# Altium PCB SupBigBrrg_0.PcbDoc (part 27 of 29) (continued)
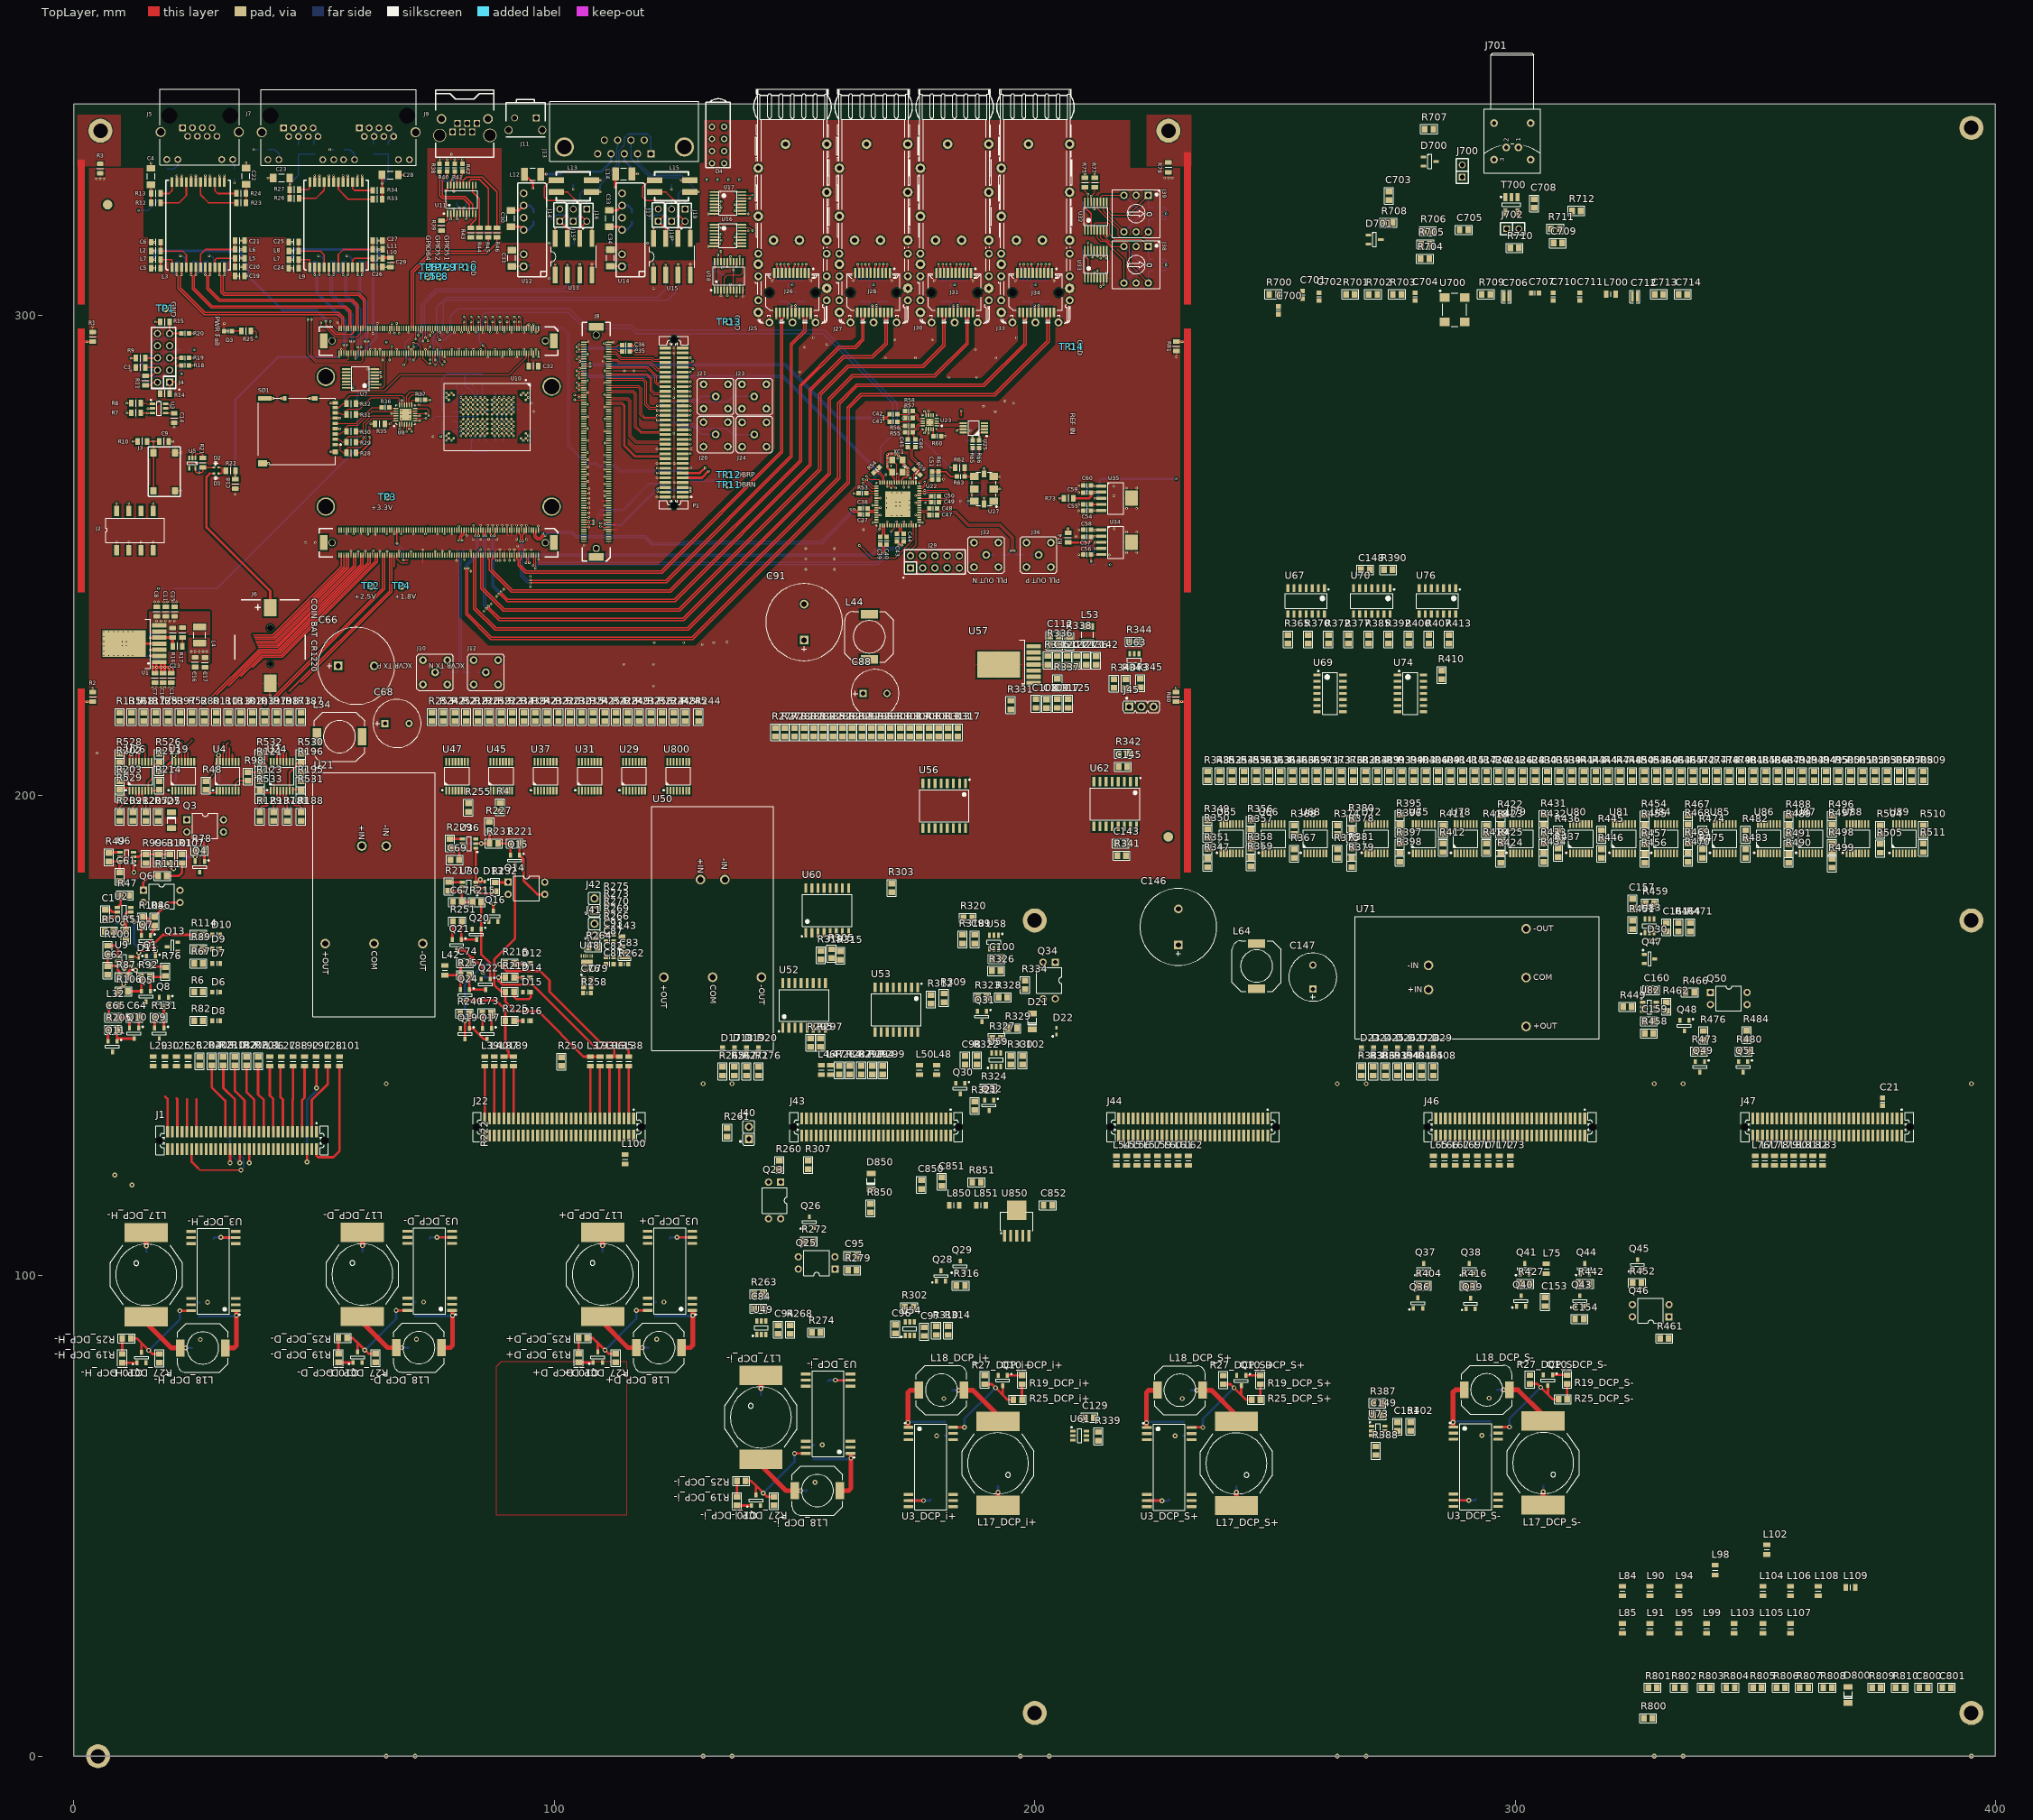
[diagram p0: TopLayer view]
## Nets (pads, with @x,y where several pads share a name; then routed paths per layer and width w, separated by ;. In a path a pad name is that pad's centre, name@x,y a point inside that pad or via, vN(x,y) a via of type N, cw(c..) or ccw(c..) an arc to the next point about the centre after c; other vN are vias at no path point) (continued)
  TopLayer w0.3: C24.2@46.75,309.775 46.755,309.78 L7.1@46.755,311.585 48.97,311.585 49.105,311.45 L9.1@49.105,310
NetC25_2: C25.2 L8.1 L9.4 | length 10
  TopLayer w0.3: C25.2@46.75,315.2 46.755,315.195 L8.1@46.755,313.385 51.255,313.385 52.075,312.565 L9.4@52.075,310
NetC26_2: C26.2 L9.10 L10.1 | length 7.7
  TopLayer w0.25: C26.2@62.2,310.075 62.2,311.88 L10.1@62.205,311.885
  TopLayer w0.3: L9.10@58.015,310 58.015,311.495 58.405,311.885 L10.1@62.205,311.885
NetC27_2: C27.2 L9.7 L11.1 | length 12.1
  TopLayer w0.25: C27.2@62.2,315.5 62.2,313.69 L11.1@62.205,313.685
  TopLayer w0.3: L9.7@55.045,310 55.045,312.65 56.08,313.685 L11.1@62.205,313.685
NetC28_2: C28.2 R33.1 R34.1 R178.2 R179.2 | length 14.7
  TopLayer w0.3: C28.2@64.135,329.185 64.16,329.16 v1(64.16,327.46) R34.1@64.16,325.985 R33.1@64.16,324.16
  BottomLayer w0.25: R179.2@62.335,333.535 R178.2@65.41,333.535 65.41,328.71 v1(64.16,327.46)
NetC55_2: C55.2 U35.4 | length 2.2
  TopLayer w0.3: C55.2@211.7,260.613 U35.4@213.875,260.613
NetC63_1: C63.1 R99.2 R101.2 U6.2 | length 7.8
  TopLayer w0.5: U6.2@12.4,187.25 13.5,187.25 14,187.75 R99.2@15,187.75 C63.1@17.5,187.75 R101.2@20,187.75
NetC68_1: C68.1 C327.2 C333.1 C338.1 L34.2 U21.1
NetC76_2: C76.2 U48.3
NetC77_1: C77.1 R91.2 R96.1 U34.4 | length 5.7
  TopLayer w0.15: v1(212.507,251.455) U34.4@213.875,251.455
  BottomLayer w0.25: R96.1@209.923,251.775 210.725,251.775 210.925,251.975 211.498,251.975 C77.1@211.523,251.95 212.05,251.95 212.507,251.493 v1(212.507,251.455) 212.507,251.107 212.325,250.925 R91.2@212.325,250.1
NetC79_2: C79.2 U48.4
NetC81_2: C81.2 C83.1 C87.2 L43.1 R262.2 R266.2 U48.2
NetC82_1: C82.1 R275.2 U48.8
NetC88_1: C88.1 C294.1 C297.2 C300.2 L44.2 U50.1
NetC93_1: C93.1 R269.1 U48.9
NetC94_2: C94.2 R268.1 R274.1 U49.2
NetC97_2: C97.2 R310.1 R314.1 U54.5
NetC99_1: C99.1 R318.1 R320.2 U58.2
NetC102_2: C102.2 R330.1 R517.1 U59.5
NetC112_1: C112.1 R335.2 R336.1 U57.5
NetC112_2: C112.2 R338.2
NetC120_1: C120.1 C122.1 C127.2 C136.2 C142.1 C266.2 C267.2 C268.1 C270.2 C271.2 L53.1 R336.2 R338.1 U57.6 U57.7
NetC147_1: C147.1 C230.1 C238.2 C250.1 L64.2 U71.1
NetC148_1: C148.1 U70.4 U70.5
NetC148_2: C148.2 R390.1 U70.1
NetC149_1: C149.1 R387.2 R388.2 U73.2
NetC154_1: C154.1 Q36.1 Q39.1 Q40.1 Q43.1 Q48.1 R451.2 R461.1 R466.1 U83.1
NetC159_1: C159.1 R449.2 R458.2 U82.2
NetC161_2: C161.2 R464.2 R471.1 U83.5
NetC165_2: C165.2 J18.2 | length 1.9
  BottomLayer w0.3: J18.2@124.425,322.07 C165.2@124.425,323.925
NetC170_2: C170.2 J15.2 | length 1.9
  BottomLayer w0.3: J15.2@103.95,322.07 C170.2@103.95,323.925
NetC175_2: C175.2 C176.1 U10.E4 | length 5.3
  TopLayer w0.15: U10.E4@90.05,280.375 v1(90.55,280.875)
  BottomLayer w0.15: C176.1@92.45,281.375 91.05,281.375 v1(90.55,280.875) 91.05,280.375 C175.2@92.825,280.375
NetC181_1: C181.1 U11.7 | length 2.4
  TopLayer w0.25: v1(81.685,320.01) U11.7@81.685,321.16
  BottomLayer w0.25: v1(81.685,320.01) 81.985,320.31 C181.1@81.985,321.16
NetC184_1: C184.1 U11.6 | length 2.6
  TopLayer w0.25: U11.6@81.035,321.16 v1@81.035,322.31
  BottomLayer w0.25: v1(81.16,322.36) 81.71,322.91 C184.1@81.71,323.56
NetC184_2: C184.2 U11.5 | length 2.6
  TopLayer w0.25: U11.5@80.385,321.16 v1@80.385,322.31
  BottomLayer w0.25: C184.2@79.71,323.56 79.71,322.91 v1(80.26,322.36)
NetC186_1: C186.1 U11.4 | length 2.3
  TopLayer w0.25: v1(79.735,320.01) U11.4@79.735,321.16
  BottomLayer w0.25: v1(79.735,320.01) 80.135,319.61 C186.1@80.135,319.01
NetC186_2: C186.2 U11.2 | length 2.3
  TopLayer w0.25: v1(78.435,320.01) U11.2@78.435,321.16
  BottomLayer w0.25: C186.2@78.135,319.01 78.135,319.71 v1(78.435,320.01)
NetC190_1: C190.1 U11.3 | length 2.1
  TopLayer w0.25: U11.3@79.085,321.16 v1(79.085,322.135)
  BottomLayer w0.25: C190.1@77.985,322.185 78.035,322.135 v1(79.085,322.135)
NetC210_2: C210.2 C215.1 C230.2 Q49.2 R471.2 R473.1 U71.3
NetC213_2: C213.2 C227.1 Q51.2 R449.1 R480.2 U71.5
NetC222_2: C222.2 U1.3 | length 5.6
  TopLayer w0.5: v1(15.82,230.34) U1.3@17.76,230.34
  BottomLayer w0.3: v1(15.82,230.34) 16.43,230.34 16.585,230.185 16.585,228.71 17.01,228.285 C222.2@17.785,228.285
NetC225_1: C225.1 R192.1 U1.2 | length 19.5
  TopLayer w0.5: v1(15.82,229.07) U1.2@17.76,229.07
  MidLayer3 w0.25: v1(15.82,229.07) 16.45,229.7 16.45,234.15 15.95,234.65 15.95,241.475 v1(17.575,243.1)
  BottomLayer w0.25: C225.1@14.5,229.05 15.8,229.05 v1(15.82,229.07) ; v1(17.575,243.1) R192.1@18.6,243.1
NetC264_2: C264.2 R340.2 R512.2 U63.5
NetC269_2: C269.2 R513.1 R514.1 U61.5
NetC272_2: C272.2 U57.3
NetC273_1: C273.1 R331.1 R337.1 U57.2
NetC321_1: C321.1 R227.2 R231.2 U36.2 | length 8.3
  TopLayer w0.5: U36.2@83.654,190 R231.2@86.5,190 R227.2@86.5,192.7
  BottomLayer w0.5: C321.1@82.054,190 v2(84.8,190)
NetC324_2: C324.2 R524.2 R525.2 U30.5
NetC356_2: C356.2 R106.1 R534.2 U9.5 | length 8
  TopLayer w0.3: R106.1@9.45,159.25 9.45,159.825 v2(10.4,160.775) ; 10,165.5 10.25,165.5 10.5,165.25 v2(10.5,164.025) v2@10.525,164.05
  TopLayer w0.5: U9.5@9.1,165.5 10,165.5
  BottomLayer w0.3: v2(10.4,160.775) 10.4,163.925 v2(10.5,164.025)
NetC700_2: C700.2 R700.2
NetC701_1: C701.1 C704.2 R700.1 R703.1
NetC701_2: C701.2 C710.2 C711.2 C712.1 C713.2 C714.2 L700.2 R702.1 R703.2
NetC702_2: C702.2 R701.2 R709.1 U700.1
NetC703_1: C703.1 T700.1
NetC703_2: C703.2 R706.2
NetC704_1: C704.1 U22.8 XC1.1 | length 2.5
  TopLayer w0.15: U22.8@171.775,265.125 171.775,266.55 XC1.1@172.525,267.3
NetC705_1: C705.1 J701.1 R710.2
NetC705_2: C705.2 T700.4
NetC708_1: C708.1 T700.3
NetC708_2: C708.2 R708.2
NetC850_1: C850.1 U850.4
NetC851_1: C851.1 L851.1 U850.2
NetC852_1: C852.1 L850.2 R851.1 U850.1
NetD1_1: D1.1 J6.1 | length 34.6
  TopLayer w0.25: 28.26,267.035 D1.1@29.13,267.035
  TopLayer w0.5: 28.26,267.035 27.575,266.35 27.575,255.825 40.85,242.55 J6.1@40.85,239.13
NetD1_2: D1.2 D2.2 R22.2 | length 3.2
  TopLayer w0.25: D1.2@30.09,267.035 30.585,267.035 30.825,267.275 30.825,267.65 ; D2.2@30.09,268.285 30.59,268.285 30.825,268.05 30.825,267.65 ; R22.2@31.61,267.635 30.84,267.635 30.825,267.65
NetD3_2: D3.2 R25.2 | length 1.9
  TopLayer w0.25: D3.2@32.865,296.71 R25.2@34.815,296.71
NetD4_1: D4.1 R146.2
NetD4_3: D4.3 R145.2
NetD4_5: D4.5 R141.2
NetD4_7: D4.7 R143.2
NetD5_1: D5.1 R527.2 U26.6
NetD6_1: D6.1 R6.1
NetD7_2: D7.2 R67.1
NetD8_2: D8.2 R82.1
NetD9_2: D9.2 R89.1
NetD10_1: D10.1 R114.1
NetD11_1: D11.1 Q13.3 U2.1 U6.1 U9.3 | length 17.7
  TopLayer w0.3: U9.3@11.9,166.45 12.85,166.45 13.1,166.2 D11.1@13.5,166.2 v2@13.5,167.1 ; v2(13.5,167.3) v2@13.5,167.1 ; 17.29,168.52 16.22,168.52 15.3,167.6 14,167.6 v2@13.5,167.1
  TopLayer w0.5: U2.1@11.849,174.8 12.5,174.149 v2(12.5,173.75) ; U6.1@12.4,186.3 12.4,184.1 v2(12.5,184)
  BottomLayer w0.5: v2(12.5,173.75) 12.5,169.2 13.5,168.2 v2(13.5,167.3)
NetD12_2: D12.2 R216.1 | length 1.9
  TopLayer w0.5: R216.1@91.6,165 93.4,165 D12.2@93.45,165.05
NetD13_1: D13.1 Q16.3 U30.3 U36.1 | length 16.8
  TopLayer w0.5: U36.1@83.654,189.05 U30.3@83.654,181.95 84.6,181.95 ; v2(84.6,182.5) 84.75,182.35 84.75,181.95 ; 84.9,182.1 D13.1@85.5,182.1 ; Q16.3@87.3,176.1 v2(87.3,177.5)
  BottomLayer w0.5: v2(84.6,182.5) 84.6,180.2 v2(87.3,177.5)
NetD14_2: D14.2 R219.1 | length 1.9
  TopLayer w0.5: R219.1@91.6,162.1 93.412,162.1 D14.2@93.45,162.063
NetD15_1: D15.1 R222.1 | length 5.9
  TopLayer w0.5: R222.1@91.6,159.1 91.6,158.1 92.1,157.6 94.7,157.6 95.1,158 D15.1@95.1,159.075
NetD16_2: D16.2 R225.1 | length 1.8
  TopLayer w0.5: R225.1@91.6,153.1 D16.2@93.45,153.1
NetD17_2: D17.2 R265.1
NetD18_1: D18.1 R267.1
NetD19_2: D19.2 R321.1
NetD20_1: D20.1 R276.1
NetD22_1: D22.1 Q23.4 U49.1 U54.1 U58.1 U59.3
NetD23_1: D23.1 R383.1
NetD24_2: D24.2 R386.1
NetD25_2: D25.2 R391.1
NetD26_2: D26.2 R394.1
NetD27_2: D27.2 R401.1
NetD28_2: D28.2 R405.1
NetD29_1: D29.1 R408.1
NetD30_1: D30.1 Q47.3 U61.1 U73.1 U82.1 U83.3
NetD700_3: D700.3 R706.1 R707.2 R711.1 U25.4
NetD701_3: D701.3 R705.2 R708.1 R712.1 U25.3
NetD800_1: D800.1 R810.1 U800.3
NetJ1_2: J1.2 L101.2 | length 24.5
  TopLayer w0.5: J1.2@50.5,126.396 50.5,125 50.8,124.7 54,124.7 55.25,125.95 L101.2@55.25,143.65
NetJ1_3: J1.3 L28.1 | length 15
  TopLayer w0.5: J1.3@49.5,129.996 49.5,136.6 52.833,139.933 L28.1@52.833,143.65
NetJ1_6: J1.6 L97.2 | length 23.9
  TopLayer w0.5: v2(48.5,123.7) 48.5,123.5 J1.6@48.5,126.396 ; L97.2@50.417,143.65 50.5,143.567 v2(50.5,139.1)
  BottomLayer w0.5: v2(48.5,123.7) 48.5,136.5 49.9,137.9 50.5,138.5 v2(50.5,139.1)
NetJ1_7: J1.7 L92.1 | length 13.9
  TopLayer w0.5: J1.7@47.5,129.996 47.5,136.6 48,137.1 L92.1@48,143.65
NetJ1_10: J1.10 R188.1
NetJ1_11: J1.11 L88.1 | length 13.7
  TopLayer w0.5: J1.11@45.5,129.996 45.5,136.7 45.583,136.783 L88.1@45.583,143.65
NetJ1_14: J1.14 R181.1
NetJ1_15: J1.15 L27.1 | length 13.9
  TopLayer w0.5: L27.1@43.167,143.65 43,143.483 43,137.2 43.5,136.7 J1.15@43.5,129.996
NetJ1_18: J1.18 R137.1
NetJ1_19: J1.19 L86.1 | length 14
  TopLayer w0.5: L86.1@40.75,143.65 40.75,137.55 41.5,136.8 J1.19@41.5,129.996
NetJ1_23: J1.23 R201.2 | length 14.3
  TopLayer w0.5: R201.2@38.333,143.8 38.333,137.767 39.5,136.6 J1.23@39.5,129.996
NetJ1_27: J1.27 R206.1 | length 14.5
  TopLayer w0.5: R206.1@35.917,143.8 35.917,138.283 37.5,136.7 J1.27@37.5,129.996
NetJ1_31: J1.31 R182.2 | length 14.6
  TopLayer w0.5: R182.2@33.5,143.8 33.5,138.5 35.5,136.5 J1.31@35.5,129.996
NetJ1_35: J1.35 R210.1 | length 14.8
  TopLayer w0.5: R210.1@31.083,143.8 31.083,139.117 33.5,136.7 J1.35@33.5,129.996
NetJ1_39: J1.39 R208.2 | length 15
  TopLayer w0.5: R208.2@28.667,143.8 28.667,139.286 31.5,136.452 J1.39@31.5,129.996
NetJ1_43: J1.43 R204.1
NetJ1_47: J1.47 R207.1
NetJ1_51: J1.51 L26.1 | length 6.9
  TopLayer w0.5: L26.1@23.75,143.65 L26.1@23.8,143.6 ; J1.51@25.5,129.996 25.5,136.8
NetJ1_54: J1.54 R129.1 | length 17.1
  TopLayer w0.3: 25.75,122.5 26.25,122 v2(34.75,122)
  TopLayer w0.5: J1.54@24.5,126.396 24.5,123.75 25.75,122.5
  BottomLayer w0.3: v2(34.75,122) 35.32,122.57 35.32,124.43 34.75,125
NetJ1_55: J1.55 L25.1 | length 6.8
  TopLayer w0.5: J1.55@23.5,129.996 23.5,136.8
NetJ1_58: J1.58 R212.1
NetJ1_59: J1.59 L30.1 | length 7.1
  TopLayer w0.5: L30.1@18.9,143.633 L30.1@18.917,143.65 L30.1@19,143.567 ; 21.4,136.9 21.5,136.8 J1.59@21.5,129.996
NetJ1_62: J1.62 R209.1
NetJ1_63: J1.63 L29.1 | length 7.5
  TopLayer w0.5: 19,137.3 19.5,136.8 J1.63@19.5,129.996
NetJ5_10: J5.10 R193.2 | length 3.9
  BottomLayer w0.25: R193.2@19.275,330.4 20.85,330.4 21.62,331.17 J5.10@21.62,332.415
NetJ5_12: J5.12 R186.2 | length 2.1
  BottomLayer w0.25: J5.12@33.05,332.415 33.05,331.55 33.375,331.225 R186.2@33.375,330.45
NetJ7_1A: J7.1A L9.17 | length 13.5
  TopLayer w0.3: L9.17@56.035,327.7 v1(56.035,329.065)
  MidLayer3 w0.25: v1(56.035,329.065) 57.58,330.61 58.285,330.61 59.935,332.26 59.935,335.96 59.415,336.48 J7.1A@59.415,338.985
NetJ7_1B: J7.1B L9.23 | length 13.9
  TopLayer w0.3: L9.23@50.095,327.7 v1(50.095,329.065)
  MidLayer3 w0.25: J7.1B@43.665,338.985 43.665,336.255 50.095,329.825 v1(50.095,329.065)
NetJ7_2A: J7.2A L9.16 | length 11.2
  TopLayer w0.3: L9.16@57.025,327.7 v1(57.025,329.065)
  MidLayer3 w0.25: v1(57.025,329.065) 57.025,329.3 57.915,330.19 58.459,330.19 60.355,332.086 60.355,337.125 J7.2A@60.435,337.205
NetJ7_2B: J7.2B L9.22 | length 12.2
  TopLayer w0.3: L9.22@51.085,327.7 v1(51.085,329.065)
  MidLayer3 w0.25: J7.2B@44.685,337.205 44.685,335.829 51.085,329.429 v1(51.085,329.065)
NetJ7_3A: J7.3A L9.14 | length 12.3
  TopLayer w0.3: L9.14@59.005,327.7 v1(59.005,329.065)
  MidLayer3 w0.25: v1(59.005,329.065) 61.455,331.515 J7.3A@61.455,338.985
NetJ7_3B: J7.3B L9.20 | length 14.6
  TopLayer w0.3: L9.20@53.065,327.7 v1(53.065,329.065)
  MidLayer3 w0.25: J7.3B@45.705,338.985 45.705,336.015 51.51,330.21 51.92,330.21 v1(53.065,329.065)
NetJ7_4A: J7.4A J7.5A R179.1 | length 3.9
  BottomLayer w0.25: R179.1@62.335,335.535 62.335,337.825 J7.5A@63.495,338.985
NetJ7_4B: J7.4B J7.5B R184.1 | length 3.9
  BottomLayer w0.3: R184.1@46.76,335.56 46.725,335.595 J7.4B@46.725,337.205 46.725,337.965 J7.5B@47.745,338.985
NetJ7_6A: J7.6A L9.13 | length 11.4
  TopLayer w0.3: L9.13@59.995,327.7 v1(59.995,329.065)
  MidLayer3 w0.25: v1(59.995,329.065) 59.995,329.461 61.875,331.341 61.875,334.565 J7.6A@64.515,337.205
NetJ7_6B: J7.6B L9.19 | length 12.2
  TopLayer w0.3: L9.19@54.055,327.7 v1(54.055,329.065)
  MidLayer3 w0.25: J7.6B@48.765,337.205 48.765,333.549 51.654,330.66 52.46,330.66 v1(54.055,329.065)
NetJ7_7A: J7.7A J7.8A R178.1 | length 4.3
  BottomLayer w0.25: R178.1@65.41,335.535 65.41,336.06 J7.8A@66.555,337.205 66.555,337.965 J7.7A@65.535,338.985
NetJ7_7B: J7.7B J7.8B R183.1 | length 4.2
  BottomLayer w0.3: J7.7B@49.785,338.985 50.805,337.965 J7.8B@50.805,337.205 49.96,336.36 R183.1@49.96,335.535
NetJ7_10A: J7.10A R180.2 | length 3.8
  BottomLayer w0.25: R180.2@56.175,334.475 57.45,334.475 58.405,333.52 J7.10A@58.405,332.375
NetJ7_10B: J7.10B R185.2 | length 3.9
  BottomLayer w0.25: R185.2@40.385,334.485 41.79,334.485 42.655,333.62 J7.10B@42.655,332.375
NetJ8_A110: J8.A110 R176.1 | length 3.6
  TopLayer w0.15: J8.A110@69.675,292.05 v1(69.675,293.4)
  BottomLayer w0.15: v1(69.675,293.4) 69.675,292.075 69.95,291.8 R176.1@70.5,291.8
NetJ9_1: J9.1 R42.2 | length 9.7
  TopLayer w0.25: R42.2@80.835,331.503 v1(80.835,332.41)
  MidLayer3 w0.15: v1(80.835,332.41) 80.835,334.135 83.9,337.2 J9.1@83.9,339.928
NetJ9_2: J9.2 R41.2 | length 8.1
  TopLayer w0.25: R41.2@79.26,331.503 v1(79.26,332.41)
  MidLayer3 w0.15: v1(79.26,332.41) 79.26,333.16 82.88,336.78 J9.2@82.88,338.148
NetJ9_5: J9.5 R40.2 | length 9.3
  TopLayer w0.25: R40.2@77.685,331.503 v1(77.685,332.41)
  MidLayer3 w0.15: v1(77.685,332.41) 77.66,332.435 77.66,334.36 79.82,336.52 J9.5@79.82,339.928
NetJ9_6: J9.6 R38.2 | length 7.8
  TopLayer w0.25: R38.2@76.11,331.503 v1(76.11,332.41)
  MidLayer3 w0.15: v1(76.11,332.41) 76.11,333.335 78.8,336.025 J9.6@78.8,338.148
NetJ10_1: J10.1 R162.1 | length 1.7
  BottomLayer w0.25: J10.1@75.175,225.65 R162.1@76.825,225.65
NetJ11_1: J11.1 R7.2 U3.3 | length 126.5
  TopLayer w0.25: R7.2@13.925,279.675 15.22,279.675 v1(15.26,279.635) U3.3@16.335,279.635
  MidLayer3 w0.25: v1(15.26,279.635) 14.4,280.495 14.4,281.35 15.675,282.625 15.675,297.1 16.425,297.85 26.15,297.85 26.385,297.615 54.89,297.615 56.865,297.615 72.075,312.825 79.575,312.825 88.025,321.275 88.025,329.575 93.225,334.775 93.225,338.075 J11.1@96.235,341.085
NetJ12_1: J12.1 R159.1 | length 1.7
  BottomLayer w0.25: R159.1@84.05,225.65 J12.1@85.75,225.65
NetJ14_1: J14.1 L13.2 U13.7 U39.1 | length 22.1
  TopLayer w0.3: L13.2@100.375,328.125 99.375,328.125 97.925,326.675 97.925,324.575 98.65,323.85 101.725,323.85 102.55,323.025 102.55,320.955 J14.1@101.15,319.555 102.726,317.979 U13.7@102.726,315.92
  BottomLayer w0.3: J14.1@101.15,319.555 101.52,319.555 103.2,317.875 U39.1@103.2,317.325
NetJ14_2: J14.2 R158.2 | length 1.9
  BottomLayer w0.3: R158.2@99.25,322.075 101.13,322.075 J14.2@101.15,322.095
NetJ15_1: J15.1 R155.2 R158.1 | length 13.6
  BottomLayer w0.3: R158.1@99.25,320.075 99.625,320.075 100.425,320.875 102.605,320.875 J15.1@103.95,319.53 105.325,320.905 105.325,325.25 105.925,325.85 R155.2@106.75,325.85
NetJ16_1: J16.1 R155.1 | length 1.8
  BottomLayer w0.3: J16.1@106.75,322.07 R155.1@106.75,323.85
NetJ16_2: J16.2 L13.3 U13.6 U39.2 | length 17.3
  TopLayer w0.3: L13.3@100.375,325.625 102.75,325.625 105.35,323.025 105.35,320.93 J16.2@106.75,319.53 105.276,318.056 U13.6@105.276,315.92
  BottomLayer w0.3: U39.2@105.1,317.325 105.1,317.95 106.68,319.53 J16.2@106.75,319.53
NetJ17_1: J17.1 L15.2 U15.7 U38.1 | length 22.1
  TopLayer w0.3: L15.2@120.85,328.125 119.85,328.125 118.4,326.675 118.4,324.575 119.125,323.85 122.2,323.85 123.025,323.025 123.025,320.955 J17.1@121.625,319.555 123.201,317.979 U15.7@123.201,315.92
  BottomLayer w0.3: J17.1@121.625,319.555 121.995,319.555 123.675,317.875 U38.1@123.675,317.325
NetJ17_2: J17.2 R154.2 | length 1.9
  BottomLayer w0.3: R154.2@119.725,322.075 121.605,322.075 J17.2@121.625,322.095
NetJ18_1: J18.1 R147.2 R154.1 | length 13.6
  BottomLayer w0.3: R154.1@119.725,320.075 120.1,320.075 120.9,320.875 123.08,320.875 J18.1@124.425,319.53 125.8,320.905 125.8,325.25 126.4,325.85 R147.2@127.225,325.85
NetJ19_1: J19.1 R147.1 | length 1.8
  BottomLayer w0.3: J19.1@127.225,322.07 R147.1@127.225,323.85
NetJ19_2: J19.2 L15.3 U15.6 U38.2 | length 17.3
  TopLayer w0.3: L15.3@120.85,325.625 123.225,325.625 125.825,323.025 125.825,320.93 J19.2@127.225,319.53 125.751,318.056 U15.6@125.751,315.92
  BottomLayer w0.3: U38.2@125.575,317.325 125.575,317.95 127.155,319.53 J19.2@127.225,319.53
NetJ20_1: J20.1 R149.1 | length 10.3
  BottomLayer w0.25: R149.1@124.325,277.65 125.3,277.65 126.225,276.725 129.15,276.725 130.7,275.175 J20.1@133.575,275.175
NetJ21_1: J21.1 R152.1 | length 9.8
  BottomLayer w0.25: R152.1@124.325,281.75 125.7,281.75 126.4,282.45 130.025,282.45 130.65,283.075 J21.1@133.6,283.075
NetJ22_3: J22.3 L38.1 | length 10.8
  TopLayer w0.5: J22.3@115.5,132.8 L38.1@115.5,143.65
NetJ22_6: J22.6 L100.2
NetJ22_7: J22.7 L35.1 | length 10.8
  TopLayer w0.5: J22.7@113.5,132.8 L35.1@113.5,143.65
NetJ22_11: J22.11 L96.1 | length 10.8
  TopLayer w0.5: J22.11@111.5,132.8 L96.1@111.5,143.65
NetJ22_15: J22.15 L93.1 | length 10.8
  TopLayer w0.5: J22.15@109.5,132.8 L93.1@109.5,143.65
NetJ22_19: J22.19 L37.1 | length 10.8
  TopLayer w0.5: J22.19@107.5,132.8 L37.1@107.5,143.65
NetJ22_51: J22.51 L89.1 | length 10.8
  TopLayer w0.5: J22.51@91.5,132.8 91.5,139.75 L89.1@91.5,143.65
NetJ22_55: J22.55 L87.1 | length 10.8
  TopLayer w0.5: J22.55@89.5,132.8 89.5,138.5 L87.1@89.5,143.65
NetJ22_59: J22.59 L40.1 | length 10.8
  TopLayer w0.5: J22.59@87.5,132.8 87.5,142.5 L40.1@87.5,143.65
NetJ22_63: J22.63 L39.1 | length 10.8
  TopLayer w0.5: J22.63@85.5,132.8 L39.1@85.5,143.65
NetJ23_1: J23.1 R151.1 | length 18.4
  BottomLayer w0.25: R151.1@124.325,280.375 125.625,280.375 127.2,281.95 136.05,281.95 137.175,283.075 J23.1@141.6,283.075
NetJ24_1: J24.1 R150.1 | length 18.9
  BottomLayer w0.25: R150.1@124.325,279 125.475,279 127.075,277.4 129.125,277.4 130.175,276.35 136,276.35 137.2,275.15 J24.1@141.625,275.15
NetJ32_1: J32.1 R116.2 | length 1.6
  BottomLayer w0.3: J32.1@189.9,250.1 R116.2@191.525,250.1
NetJ36_1: J36.1 R108.2 | length 1.6
  BottomLayer w0.25: R108.2@199.25,250.1 J36.1@200.825,250.1
NetJ43_2: J43.2 L107.2
NetJ43_3: J43.3 L105.1
NetJ43_6: J43.6 L103.2
NetJ43_7: J43.7 L48.1
NetJ43_10: J43.10 R295.2
NetJ43_11: J43.11 L99.1
NetJ43_14: J43.14 R303.2
NetJ43_15: J43.15 L50.1
NetJ43_18: J43.18 R312.2
NetJ43_19: J43.19 L95.1
NetJ43_22: J43.22 R315.2
NetJ43_23: J43.23 R297.1
NetJ43_27: J43.27 R309.2
NetJ43_31: J43.31 R299.1
NetJ43_35: J43.35 R294.1
NetJ43_39: J43.39 R290.1
NetJ43_43: J43.43 R287.1
NetJ43_47: J43.47 R284.1
NetJ43_51: J43.51 L47.1
NetJ43_54: J43.54 R319.2
NetJ43_55: J43.55 L46.1
NetJ43_58: J43.58 R305.2
NetJ43_59: J43.59 L91.1
NetJ43_62: J43.62 R307.2
NetJ43_63: J43.63 L85.1
NetJ44_2: J44.2 L60.1
NetJ44_3: J44.3 L59.1
NetJ44_6: J44.6 L109.2
NetJ44_7: J44.7 L56.1
NetJ44_11: J44.11 L108.1
NetJ44_15: J44.15 L57.1
NetJ44_19: J44.19 L106.1
NetJ44_51: J44.51 L55.1
NetJ44_55: J44.55 L54.1
NetJ44_59: J44.59 L61.1
NetJ44_63: J44.63 L62.1
NetJ46_2: J46.2 L71.1
NetJ46_3: J46.3 L70.1
NetJ46_6: J46.6 L104.2
NetJ46_7: J46.7 L67.1
NetJ46_11: J46.11 L102.1
NetJ46_15: J46.15 L69.1
NetJ46_19: J46.19 L98.1
NetJ46_51: J46.51 L66.1
NetJ46_55: J46.55 L65.1
NetJ46_59: J46.59 L73.1
NetJ46_63: J46.63 L72.1
NetJ47_2: J47.2 L81.1
NetJ47_3: J47.3 L80.1
NetJ47_6: J47.6 L94.2
NetJ47_7: J47.7 L78.1
NetJ47_11: J47.11 L90.1
NetJ47_15: J47.15 L79.1
NetJ47_19: J47.19 L84.1
NetJ47_51: J47.51 L77.1
NetJ47_55: J47.55 L76.1
NetJ47_59: J47.59 L83.1
NetJ47_63: J47.63 L82.1
NetJ700_1: J700.1 J701.3
NetJ701_2: J701.2 J702.1 R704.2 T700.6
NetJ702_2: J702.2 R710.1
NetL3_15: L3.15 R24.2 | length 6.5
  TopLayer w0.3: L3.15@29.32,327.7 29.32,325.925 29.91,325.335 R24.2@33.81,325.335
NetL3_18: L3.18 R23.2 | length 10.8
  TopLayer w0.3: L3.18@26.35,327.7 26.35,325.07 27.985,323.435 R23.2@33.81,323.435
NetL3_21: L3.21 R12.2 | length 8.7
  TopLayer w0.3: R12.2@18.035,323.435 21.91,323.435 23.38,324.905 L3.21@23.38,327.7
NetL3_24: L3.24 R13.2 | length 4.4
  TopLayer w0.3: R13.2@18.035,325.335 19.81,325.335 20.41,325.935 L3.24@20.41,327.7
NetL9_15: L9.15 R34.2 | length 5.6
  TopLayer w0.3: L9.15@58.015,327.7 58.015,326.38 58.41,325.985 R34.2@62.16,325.985
NetL9_18: L9.18 R33.2 | length 9.5
  TopLayer w0.3: L9.18@55.045,327.7 55.045,326.2 57.085,324.16 61.31,324.16 R33.2@62.16,324.16
NetL9_21: L9.21 R26.2 | length 7.5
  TopLayer w0.3: R26.2@46.91,324.31 50.335,324.31 52.075,326.05 L9.21@52.075,327.7
NetL9_24: L9.24 R27.2 | length 3.5
  TopLayer w0.3: R27.2@46.91,326.16 48.785,326.16 49.105,326.48 L9.24@49.105,327.7
NetQ1_3: Q1.3 R76.1 | length 3.1
  TopLayer w0.5: Q1.3@16,164.4 18.85,164.4 R76.1@19,164.25
NetQ3_1: Q3.1 R107.2
NetQ3_3: Q3.3 Q4.1 R78.1 | length 4.1
  TopLayer w0.5: 27.05,190.3 R78.1@27.05,188.5 27.15,188.4 Q4.1@27.15,186.25
NetQ5_1: Q5.1 R76.2 R92.1 | length 6.3
  TopLayer w0.5: Q5.1@15.95,159.25 15.95,161.1 15.8,161.25 R92.1@15.8,162.25 18.8,162.25 R76.2@19,162.45
NetQ6_1: Q6.1 R111.2 | length 5.3
  TopLayer w0.5: Q6.1@14.44,180.27 14.44,181.94 15.75,183.25 R111.2@17.5,183.25
NetQ6_3: Q6.3 R86.1 | length 6.5
  TopLayer w0.5: R86.1@16.75,174.75 19.73,177.73 Q6.3@22.06,177.73
NetQ7_1: Q7.1 R86.2 R104.1 | length 6.1
  TopLayer w0.5: R104.1@14.25,174.75 15,174.75 15.5,174.25 15.5,173.5 16.05,172.95 R86.2@16.75,172.95 16.75,172 15.95,171.2 Q7.1@15.95,170.85
NetQ8_3: Q8.3 Q9.1 R131.1 | length 4.3
  TopLayer w0.5: Q9.1@18.7,151.6 18.7,153.6 R131.1@18.55,153.75 18.7,153.9 Q8.3@18.7,155.8
NetQ9_3: Q9.3 R67.2
NetQ10_3: Q10.3 Q11.1 R205.1 | length 5.4
  TopLayer w0.5: R205.1@9.05,151.25 8.95,151.15 8.95,149.5 9.05,149.4 Q10.3@12.5,149.4
NetQ10_DCP_D+_1: Q10_DCP_D+.1 Q10_DCP_D-.1 R19_DCP_D+.2 R19_DCP_D-.2 | length 6.1
  TopLayer w0.5: R19_DCP_D-.2@55.05,82 55.1,81.95 Q10_DCP_D-.1@58.1,81.95 ; R19_DCP_D+.2@105.05,82 105.1,81.95 Q10_DCP_D+.1@108.1,81.95
NetQ10_DCP_D+_3: Q10_DCP_D+.3 R25_DCP_D+.2 R27_DCP_D+.1 U3_DCP_D+.28 | length 24.8
  TopLayer w0.5: R25_DCP_D+.2@107.05,87.05 108.05,87.05 109.05,86.05 ; Q10_DCP_D+.3@109.15,84.05 Q10_DCP_D+.3@109.05,84.15 109.05,85.8 ; v2(110.55,84.55) 109.05,86.05 ; R27_DCP_D+.1@112.8,83.8 111.3,83.8 109.425,85.675 109.05,86.05 ; v2(117.05,92.8) 117.3,92.8 117.305,92.795 U3_DCP_D+.28@119.4,92.795 ; 109.05,85.8 109.05,86.05 ; 109.05,85.8 109.05,86.05
  BottomLayer w0.5: v2(110.55,84.55) 110.925,84.925 117.05,91.05 v2(117.05,92.8)
NetQ10_DCP_D-_3: Q10_DCP_D-.3 R25_DCP_D-.2 R27_DCP_D-.1 U3_DCP_D-.28 | length 24.8
  TopLayer w0.5: R25_DCP_D-.2@57.05,87.05 58.05,87.05 59.05,86.05 ; Q10_DCP_D-.3@59.15,84.05 Q10_DCP_D-.3@59.05,84.15 59.05,85.8 ; v2(60.55,84.55) 59.05,86.05 ; R27_DCP_D-.1@62.8,83.8 61.3,83.8 59.425,85.675 59.05,86.05 ; v2(67.05,92.8) 67.3,92.8 67.305,92.795 U3_DCP_D-.28@69.4,92.795 ; 59.05,85.8 59.05,86.05 ; 59.05,85.8 59.05,86.05
  BottomLayer w0.5: v2(60.55,84.55) 60.925,84.925 67.05,91.05 v2(67.05,92.8)
NetQ10_DCP_H-_3: Q10_DCP_H-.3 R25_DCP_H-.2 R27_DCP_H-.1 U3_DCP_H-.28 | length 24.8
  TopLayer w0.5: R25_DCP_H-.2@12.05,87 13.05,87 14.05,86 ; Q10_DCP_H-.3@14.15,84 Q10_DCP_H-.3@14.05,84.1 14.05,85.75 ; v2(15.55,84.5) 14.05,86 ; R27_DCP_H-.1@17.8,83.75 16.3,83.75 14.425,85.625 14.05,86 ; v2(22.05,92.75) 22.3,92.75 22.305,92.745 U3_DCP_H-.28@24.4,92.745 ; 14.05,85.75 14.05,86 ; 14.05,85.75 14.05,86
  BottomLayer w0.5: v2(15.55,84.5) 15.925,84.875 22.05,91 v2(22.05,92.75)
NetQ10_DCP_i+_3: Q10_DCP_i+.3 R25_DCP_i+.2 R27_DCP_i+.1 U3_DCP_i+.28 | length 24.8
  TopLayer w0.5: U3_DCP_i+.28@183,68.47 185.095,68.47 185.1,68.465 v2(185.35,68.465) ; R27_DCP_i+.1@189.6,77.465 191.1,77.465 192.975,75.59 193.35,75.215 ; v2(191.85,76.715) 193.35,75.215 ; Q10_DCP_i+.3@193.25,77.215 Q10_DCP_i+.3@193.35,77.115 193.35,75.465 ; R25_DCP_i+.2@195.35,74.215 194.35,74.215 193.35,75.215 ; 193.35,75.215 193.35,75.465 ; 193.35,75.215 193.35,75.465
  BottomLayer w0.5: v2(185.35,68.465) 185.35,70.215 191.475,76.34 v2(191.85,76.715)
NetQ10_DCP_i-_3: Q10_DCP_i-.3 R25_DCP_i-.2 R27_DCP_i-.1 U3_DCP_i-.28 | length 24.8
  TopLayer w0.5: R25_DCP_i-.2@140,57.3 141,57.3 142,56.3 ; Q10_DCP_i-.3@142.1,54.3 Q10_DCP_i-.3@142,54.4 142,56.05 ; v2(143.5,54.8) 142,56.3 ; R27_DCP_i-.1@145.75,54.05 144.25,54.05 142.375,55.925 142,56.3 ; v2(150,63.05) 150.25,63.05 150.255,63.045 U3_DCP_i-.28@152.35,63.045 ; 142,56.05 142,56.3 ; 142,56.05 142,56.3
  BottomLayer w0.5: v2(143.5,54.8) 143.875,55.175 150,61.3 v2(150,63.05)
NetQ10_DCP_S+_1: Q10_DCP_S+.1 Q10_DCP_S-.1 R19_DCP_S+.2 R19_DCP_S-.2 | length 6.1
  TopLayer w0.5: Q10_DCP_S+.1@243.95,79.3 246.95,79.3 R19_DCP_S+.2@247,79.25 ; Q10_DCP_S-.1@307.8,79.385 310.8,79.385 R19_DCP_S-.2@310.85,79.335
NetQ10_DCP_S+_3: Q10_DCP_S+.3 R25_DCP_S+.2 R27_DCP_S+.1 U3_DCP_S+.28 | length 24.8
  TopLayer w0.5: U3_DCP_S+.28@232.65,68.455 234.745,68.455 234.75,68.45 v2(235,68.45) ; R27_DCP_S+.1@239.25,77.45 240.75,77.45 242.625,75.575 243,75.2 ; v2(241.5,76.7) 243,75.2 ; Q10_DCP_S+.3@242.9,77.2 Q10_DCP_S+.3@243,77.1 243,75.45 ; R25_DCP_S+.2@245,74.2 244,74.2 243,75.2 ; 243,75.2 243,75.45 ; 243,75.2 243,75.45
  BottomLayer w0.5: v2(235,68.45) 235,70.2 241.125,76.325 v2(241.5,76.7)
NetQ10_DCP_S-_3: Q10_DCP_S-.3 R25_DCP_S-.2 R27_DCP_S-.1 U3_DCP_S-.28 | length 24.8
  TopLayer w0.5: U3_DCP_S-.28@296.5,68.54 298.595,68.54 298.6,68.535 v2(298.85,68.535) ; R27_DCP_S-.1@303.1,77.535 304.6,77.535 306.475,75.66 306.85,75.285 ; v2(305.35,76.785) 306.85,75.285 ; Q10_DCP_S-.3@306.75,77.285 Q10_DCP_S-.3@306.85,77.185 306.85,75.535 ; R25_DCP_S-.2@308.85,74.285 307.85,74.285 306.85,75.285 ; 306.85,75.285 306.85,75.535 ; 306.85,75.285 306.85,75.535
  BottomLayer w0.5: v2(298.85,68.535) 298.85,70.285 304.975,76.41 v2(305.35,76.785)
NetQ14_1: Q14.1 R232.2 | length 2.7
  TopLayer w0.5: R232.2@87.7,181.9 90.32,181.9 Q14.1@90.39,181.97
NetQ14_3: Q14.3 Q15.1 R221.1 | length 13.7
  TopLayer w0.5: R221.1@92.7,190 92.75,189.95 Q15.1@92.75,187.6 93.6,186.75 93.6,182.3 96.47,179.43 Q14.3@98.01,179.43
NetQ17_3: Q17.3 Q19.1 R240.1 | length 7.7
  TopLayer w0.5: R240.1@82.2,154.6 82.35,154.45 Q19.1@82.35,151.5 83.1,151.5 85.3,149.3 Q17.3@86,149.3
NetQ20_3: Q20.3 Q21.1 R251.1 | length 7
  TopLayer w0.5: R251.1@80.7,173.8 80.65,173.75 Q21.1@80.65,170 Q20.3@83.8,170
NetQ22_3: Q22.3 Q24.1 R257.2 | length 6.4
  TopLayer w0.5: R257.2@82.3,162.6 82.35,162.55 Q24.1@82.35,159.6 Q22.3@85.7,159.6
NetQ23_1: Q23.1 R260.2
NetQ25_1: Q25.1 R279.2
NetQ25_3: Q25.3 Q26.1 R272.1
NetQ28_3: Q28.3 Q29.1 R316.1
NetQ30_3: Q30.3 R324.1
NetQ31_1: Q31.1 R323.1 R328.2
NetQ32_1: Q32.1 R271.1 R324.2
NetQ34_1: Q34.1 R334.2
NetQ34_3: Q34.3 R328.1
NetQ36_3: Q36.3 Q37.1 R404.1
NetQ38_1: Q38.1 Q39.3 R416.1
NetQ40_3: Q40.3 Q41.1 R427.1
NetQ43_3: Q43.3 Q44.1 R442.1
NetQ45_1: Q45.1 Q46.3 R452.1
NetQ46_1: Q46.1 R461.2
NetQ48_3: Q48.3 R476.1
NetQ49_1: Q49.1 R473.2 R476.2
NetQ50_1: Q50.1 R466.2
NetQ50_3: Q50.3 R484.1
NetQ51_1: Q51.1 R480.1 R484.2
NetR4_1: R4.1 U45.7
NetR21_1: R21.1 U5.1 | length 3.1
  TopLayer w0.25: U5.1@25.3,270.325 25.3,271.075 25.425,271.2 26.6,271.2 26.775,271.025 R21.1@26.775,270.3
NetR36_1: R36.1 U8.19 | length 1.5
  TopLayer w0.15: R36.1@65.675,280.8 66.175,280.8 66.425,280.55 U8.19@67.025,280.55
NetR37_1: R37.1 U8.13 | length 2.1
  TopLayer w0.15: U8.13@70.275,281.3 70.275,282.05 70.6,282.375 R37.1@71.45,282.375
NetR39_2: R39.2 U11.1 | length 2.6
  TopLayer w0.25: R39.2@76.485,319.66 77.435,319.66 77.785,320.01 U11.1@77.785,321.16
NetR43_2: R43.2 U11.10 | length 3.4
  TopLayer w0.25: R43.2@82.625,318.175 82.625,318.875 83.635,319.885 U11.10@83.635,321.16
NetR44_2: R44.2 U11.12 | length 9.5
  TopLayer w0.25: U11.12@82.985,327.06 82.985,325.66 84.425,324.22 R44.2@84.425,318.175
NetR45_2: R45.2 U11.13 | length 13.9
  TopLayer w0.25: U11.13@82.335,327.06 82.335,327.885 82.725,328.275 84.425,328.275 86.25,326.45 R45.2@86.25,318.175
NetR46_2: R46.2 U11.15 | length 17.1
  TopLayer w0.25: U11.15@81.035,327.06 81.035,328.085 81.725,328.775 84.932,328.775 88.025,325.682 R46.2@88.025,318.175
NetR47_2: R47.2 U2.4 | length 2.9
  TopLayer w0.5: U2.4@9.049,176.7 9.75,177.401 9.75,179.2 R47.2@9.7,179.25
NetR48_2: R48.2 U4.1 | length 2.7
  TopLayer w0.3: R48.2@27.5,201.2 28.185,200.515 29.219,200.515 U4.1@29.725,201.021